# Altium PCB WOLFMAN.PcbDoc (part 2 of 2)
Units mm, origin at the board's own origin, x right, y up, seen from the top; angles counter-clockwise.
Board outline 40.9 x 21.1 mm, 4 copper layers (Top Layer, Signal Layer 1, Signal Layer 2, Bottom Layer), stack 0.778 mm thick; 165 components, 160 nets, 676 pads, 121 vias.
Unrouted connection lines stored in the file: 103.
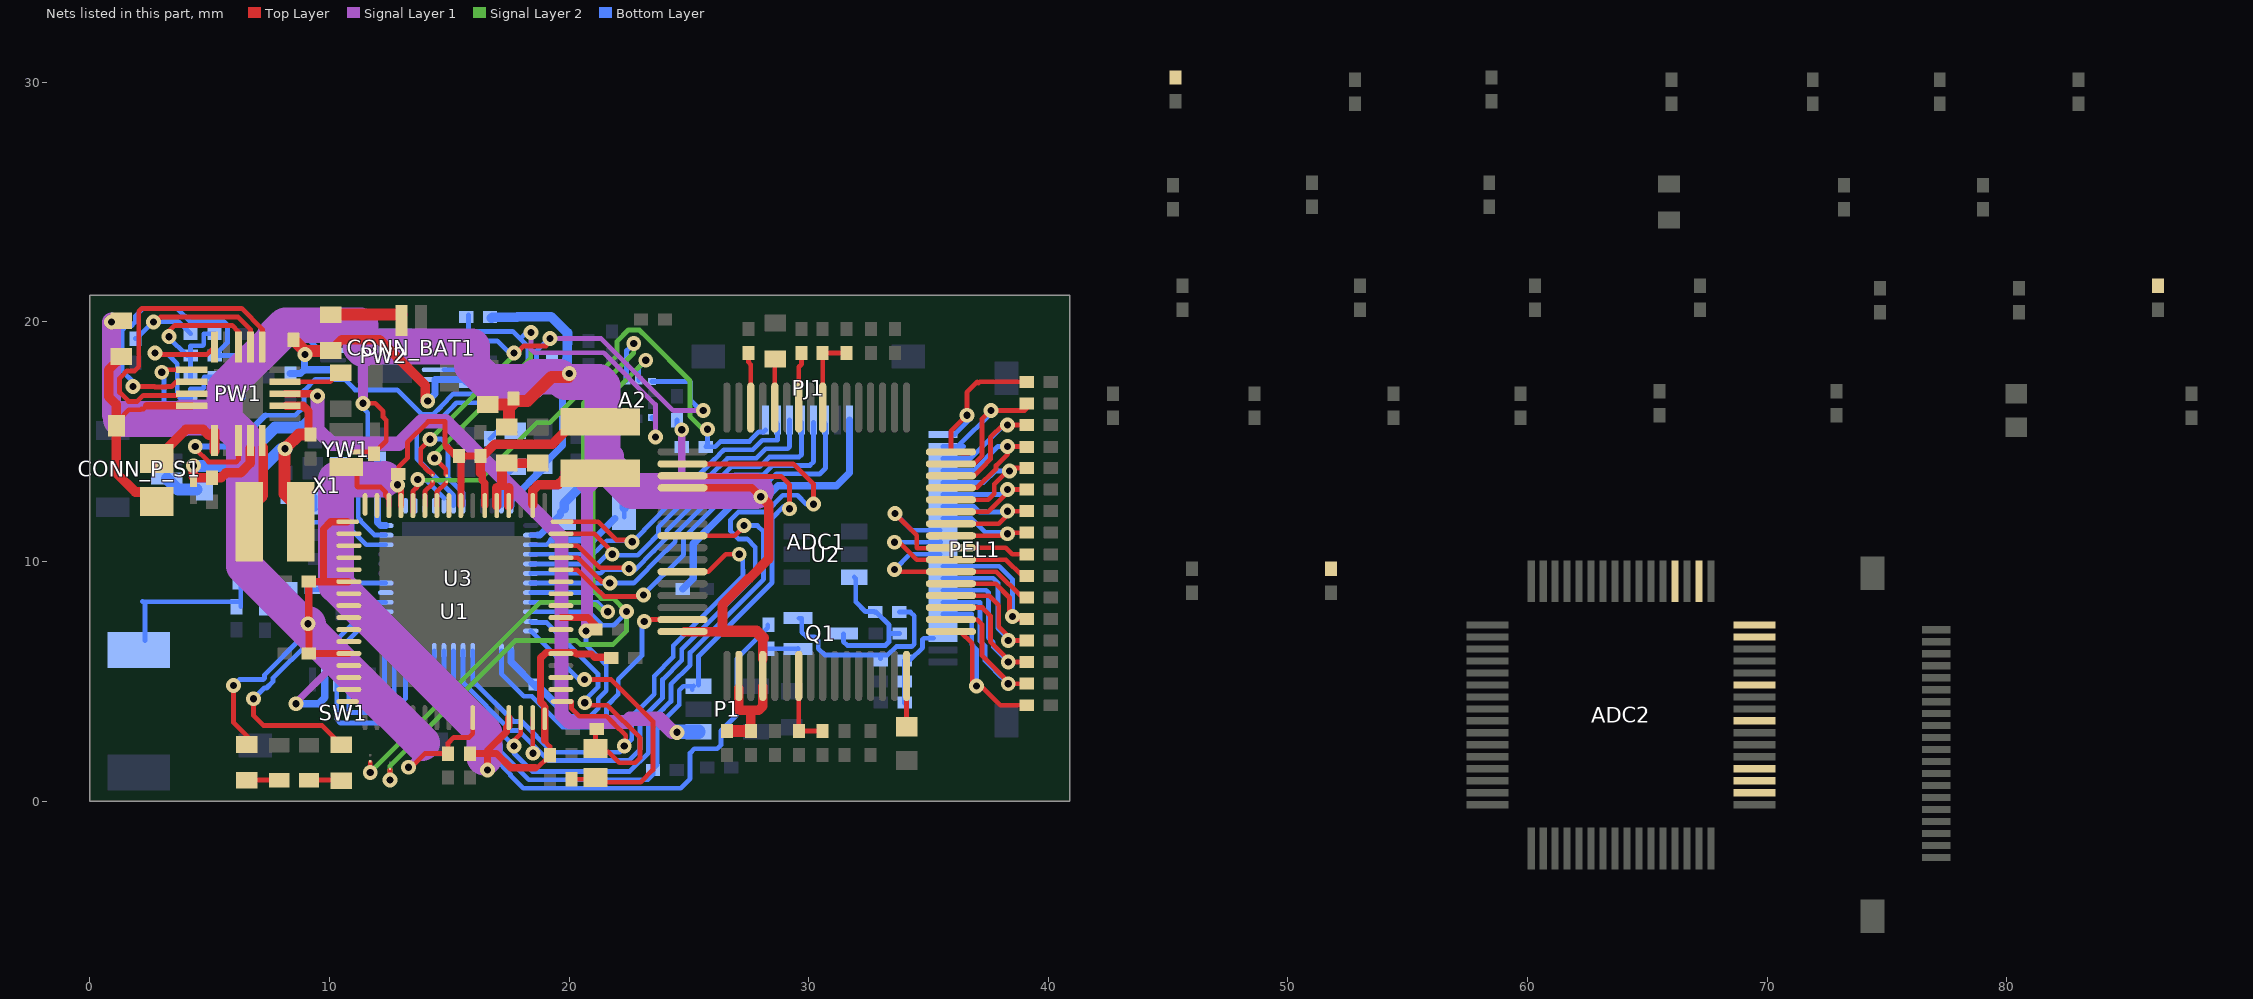
[diagram p4: the nets of this part, all layers, seen from the top]

## Via types
v1: diameter 0.62, hole 0.3, Top Layer to Bottom Layer, 75 vias
v2: diameter 0.62, hole 0.3, Top Layer to Bottom Layer, tented both sides, 29 vias
v3: diameter 0.66, hole 0.33, Top Layer to Bottom Layer, 16 vias
v4: diameter 0.62, hole 0.3, Top Layer to Bottom Layer, tented bottom, 1 vias

## Nets (pads, with @x,y where several pads share a name; then routed paths per layer and width w, separated by ;. In a path a pad name is that pad's centre, name@x,y a point inside that pad or via, vN(x,y) a via of type N, cw(c..) or ccw(c..) an arc to the next point about the centre after c; other vN are vias at no path point) (continued)
DVDD: ADC1.36 ADC1.48 ADC1.50 ADC1.52 ADC2.36 ADC2.48 ADC2.50 ADC2.52 C1.2 C2.2 C3.2 C4.2 C5.2 C6.2 C7.2 C17.1 C20.1 C26.1 CC10.2 CC11.2 CC27.2 CC28.2 PJ1.1 R8.1 R9.1 R11.2 R12.2 R36.1 R37.2 RVDVDD1.2 RVREG1.2 SW1.2 U1.1 U1.6 U1.12 U1.26 U1.40 U3.13 U3.36 U3.48 YW1.4 | length 156.4
  Top Layer w0.2: YW1.4@11.15,14.57 C2.2@11.7,14.57 ; v2(11.4,16.6) 11.911,16.6 12.239,16.272 12.239,16.029 12.365,15.904 12.365,15.028 C2.2@11.911,14.574 ; v1@13.423,1.533 v1(13.3,1.41) 13.41,1.41 13.983,1.983 C7.2@14.95,1.983 14.95,2.425 15.182,2.657 15.817,2.657 ; 15.832,2.657 15.983,2.808 U1.26@15.983,3.482
  Top Layer w0.3: v1(9.1,7.4) 9.1,7.12 9.132,7.088 ; C4.2@9.132,9.157 9.132,7.088 ; C5.2@9.135,6.167 9.145,6.157 U1.12@10.808,6.157 ; C4.2@9.135,9.157 9.75,9.157 ; C5.2@9.146,6.2 9.146,7.074 9.132,7.088 ; U1.1@10.758,11.657 10.053,11.657 9.75,11.354 9.75,9.157 ; U1.6@10.8,9.157 9.75,9.157 ; U1.40@19.658,7.657 20.775,7.657 C6.2@21.2,7.232 ; ADC1.36@24.734,13.074 27.626,13.074 v1(28,12.7)
  Top Layer w0.4: ADC1.48@24.803,7.074 26.283,7.074 ; 26.4,7.088 26.4,8.2 27.49,9.29 27.518,9.29 28.329,10.1 28.329,12.405 28.034,12.7 v1(28,12.7) ; ADC1.50@27.084,4.7 27.084,3.8 27.918,3.8 28.084,3.966 ADC1.52@28.084,4.785 ; CC10.2@27.584,2.926 27.584,3.794 ; ADC1.52@28.084,5.916 28.084,6.816
  Top Layer w0.5: C1.2@16.6,16.55 17.491,16.55 C3.2@17.5,16.559 ; RVREG1.2@17.483,15.566 17.483,16.39 17.793,16.7 18.266,16.7 19.267,17.701 v1@19.977,17.701 ; 26.4,7.088 27.812,7.088 28.084,6.816 ; CC11.2@26.584,2.926 CC10.2@27.584,2.926
  Signal Layer 1 w0.3: v1(8.6,4.06) 8.6,4.11 10.09,5.6 ; v1(13.3,1.41) 13.6,1.71 13.6,1.9 ; v1(24.7,15.5) 24.7,13.144 24.832,13.012
  Signal Layer 1 w0.4: v2(11.4,16.6) 11.4,18.873 11.4,18.92
  Signal Layer 1 w0.5: v2@20.728,7.105 20.74,7.117 20.74,13.34
  Signal Layer 1 w0.8: 0.9,16.09 v2(0.9,20)
  Signal Layer 1 w1: 20.74,13.34 21.8,14.4
  Signal Layer 1 w1.5: 1.3,15.942 3.831,15.942 3.899,16.01 5.547,16.01 5.615,15.942 ; 7.7,19.4 8.159,19.859 11.3,19.859 ; 8.215,19.8 5.615,17.2 5.615,15.942 ; v1(9.1,7.4) v1@9.1,7.151 ; v1@9.146,7.105 v1@9.1,7.151 ; 11.4,18.873 11.3,18.973 15.941,18.973 15.941,18.168 16.619,17.49 18.379,17.49 18.599,17.71 19.601,17.71 19.821,17.49 21.243,17.49 21.311,17.422 ; 13.867,2.419 12.501,3.785 12.461,3.785 9.1,7.146 v1@9.1,7.151 ; 21.4,17.333 21.4,14.161 22.617,12.944 27.801,12.944 ; 5.615,15.942 6.44,15.117 6.44,9.811 v1@9.1,7.151
  Bottom Layer w0.2: v2(11.4,16.6) 11.4,16.4 11.6,16.2 11.6,14.4 11.7,14.3 C20.1@11.9,14.3 ; 19.725,17.045 19.737,17.056 ; 20.654,3.5 20.682,3.472 20.816,3.472 21.214,3.87 21.214,4.269 21.553,4.608 21.553,5.679 21.214,6.018 21.214,6.029 ; v2(20.7,7.1) 20.7,6.532 21.203,6.029 ; R36.1@24.509,15.9 24.509,15.647 v1@24.656,15.5 ; R11.2@24.7,14.784 24.675,14.809 24.7,14.835 v1(24.7,15.5)
  Bottom Layer w0.3: v1(8.6,4.06) 9.542,4.06 9.8,4.318 SW1.2@9.8,5.129 ; C20.1@12,14.139 12,11.625 12.125,11.5 U3.36@12.35,11.5 ; R8.1@16.7,20.16 R8.1@16.76,20.16 ; U3.13@17.575,6.275 17.575,5.812 C26.1@18.644,4.743 ; U3.48@17.575,12.325 17.575,12.55 C17.1@19,13.975 ; C26.1@18.6,4.872 18.6,4.86 18.644,4.86 19,4.504 19,4.498 20.006,3.492 20.597,3.492 ; C17.1@18.915,14.032 19.725,14.842 19.725,17.045 19.725,17.304 19.9,17.479 ; R9.1@19.281,17.4 19.721,17.4 19.8,17.479 ; R12.2@24.74,8.85 25.178,9.289 25.178,10.738 26.337,11.898 26.34,11.898 27.136,12.694 v1@27.961,12.694 ; v1(28,12.7) 28.255,12.7 28.715,13.16 31.16,13.16 31.7,13.7 PJ1.1@31.7,15.9
  Bottom Layer w0.4: R8.1@16.76,20.16 16.8,20.2 17.827,20.2 17.837,20.211 19.262,20.211 19.934,19.54 19.9,17.479
  other v1: 20.006,17.842
DVDD_OUT: CC1.2 L1.2 PW1.14 RVDVDD1.1 | length 10.4
  Top Layer w0.2: CC1.2@1.2,15.9 1.63,16.33 2.127,16.33 2.156,16.36 2.234,16.36 2.374,16.5
  Top Layer w0.3: 2.374,16.5 PW1.14@4.25,16.5
  Top Layer w0.4: RVDVDD1.1@1.342,18.561 0.79,18.009 0.79,16.869 1.1,16.559 1.1,13.699 1.899,12.9 L1.2@2.642,12.9
EL1: ADC1.16 PEL1.20 R13.2 | length 6.9
  Top Layer w0.2: ADC1.16@36.363,14.574 ADC1.16@35.934,14.574 35.934,15.429 v1@36.6,16.095 ; ADC1.16@36.4,14.524 ADC1.16@36.647,14.524 ; v1(36.6,16.1) 36.6,17.065 37.035,17.5 ; 37.085,17.45 37.135,17.5 R13.2@39,17.5
  Bottom Layer w0.2: PEL1.20@36.1,15.293 36.1,15.3 v1@36.75,15.95
EL2: ADC1.14 PEL1.18 R15.2 | length 8.2
  Top Layer w0.2: ADC1.14@35.934,13.574 36.9,13.574 37.213,13.887 ; 37.234,13.908 37.234,13.913 37.584,14.263 37.584,15.176 38.108,15.7 v1(38.3,15.7) R15.2@39.1,15.7 39.3,15.7 R15.2@39.2,15.8
  Bottom Layer w0.2: PEL1.18@35.6,14.3 36.765,14.3 38.165,15.7 v1(38.3,15.7)
EL3: ADC1.12 PEL1.16 R17.2 | length 7.1
  Top Layer w0.2: ADC1.12@35.934,12.574 37.487,12.574 37.74,12.827 37.74,13.232 38.3,13.792 38.322,13.77 v1(38.378,13.77) ; v1@38.4,13.9 R17.2@39.3,13.9
  Bottom Layer w0.2: PEL1.16@35.6,13.3 36.648,13.3 36.651,13.297 37.297,13.297 37.775,13.775 v1@38.378,13.775
EL4: ADC1.10 PEL1.14 R19.2 | length 6.6
  Top Layer w0.2: ADC1.10@35.934,11.574 37.925,11.574 38.326,11.975 38.326,12.1 39.277,12.1 R19.2@39.288,12.112 ; R19.2@39.2,12.2 R19.2@39.288,12.112 ; R19.2@39.3,12.1 R19.2@39.288,12.112 ; R19.2@39.3,12.123 R19.2@39.288,12.112
  Bottom Layer w0.2: PEL1.14@35.6,12.3 36.843,12.3 36.896,12.3 37.132,12.064 v1@38.326,12.064
  other v1: 38.3,12.1
EL5: ADC1.8 PEL1.12 R22.2 | length 8.2
  Top Layer w0.2: v1(33.6,11.996) 34.509,11.087 34.509,10.574 34.529,10.554 ADC1.8@35.2,10.554 ; ADC1.8@35.934,10.574 38.226,10.574 38.5,10.3 R22.2@39.3,10.3
  Bottom Layer w0.2: v1(33.6,11.996) 34.296,11.3 PEL1.12@35.492,11.3
EL6: ADC1.6 PEL1.10 R24.2 | length 7.4
  Top Layer w0.2: v1(33.584,9.665) 33.675,9.574 ADC1.6@35,9.574 ; ADC1.6@35.934,9.574 37.831,9.574 38.905,8.5 R24.2@39.3,8.5
  Bottom Layer w0.2: v1(33.584,9.665) 34.219,10.3 PEL1.10@35.492,10.3
EL7: ADC1.4 PEL1.8 R29.2 | length 9.6
  Top Layer w0.2: ADC1.4@35.934,8.574 37.527,8.574 37.934,8.167 37.934,7.274 38.3,6.908 v1@38.3,6.7 ; v1(38.326,6.7) R29.2@39.1,6.7 R29.2@39.3,6.7
  Bottom Layer w0.2: PEL1.8@35.6,9.3 37.7,9.3 37.893,9.107 37.893,7.212 v1@38.305,6.8
EL8: ADC1.2 PEL1.6 R31.2 | length 10.5
  Top Layer w0.2: ADC1.2@36.125,7.565 37.035,7.565 37.234,7.366 37.234,6.071 38.334,4.971 38.334,4.9 R31.2@39.288,4.9
  Bottom Layer w0.2: PEL1.6@35.6,8.3 37.15,8.3 37.15,7.133 37.15,6.681 37.35,6.481 37.35,5.872 37.766,5.456 37.766,5.451 38.3,4.917 v1@38.3,4.872
  other v1: 38.326,4.9
ELM1: ADC1.15 PEL1.19 R14.2 | length 8.3
  Top Layer w0.2: ADC1.15@35.934,14.074 36.9,14.074 37.234,14.408 37.234,15.95 v1@37.584,16.3 ; v1(37.6,16.3) 39,16.3 R14.2@39.3,16.6
  Bottom Layer w0.2: PEL1.19@35.6,14.8 36.224,14.8 ; 36.467,14.8 36.224,14.8 ; v1@37.7,16.276 36.224,14.8
ELM2: ADC1.13 PEL1.17 R16.2 | length 7.4
  Top Layer w0.2: ADC1.13@35.934,13.074 37.017,13.074 37.818,13.874 37.818,14.002 38.3,14.484 v1(38.3,14.8) ; v1@38.326,14.8 R16.2@39.3,14.8
  Bottom Layer w0.2: PEL1.17@35.6,13.8 36.898,13.8 37.898,14.8 v1(38.3,14.8) v1@38.305,14.8
ELM3: ADC1.11 PEL1.15 R18.2 | length 6.6
  Top Layer w0.2: ADC1.11@35.934,12.074 ADC1.11@35.944,12.084 ; ADC1.11@36.051,12.084 36.057,12.078 37.486,12.078 38.3,12.892 v1@38.3,12.997 ; v1(38.3,13) R18.2@39.1,13 R18.2@39.3,13
  Bottom Layer w0.2: PEL1.15@35.6,12.8 38.1,12.8 v1(38.3,13) ; v1@38.25,13 v1(38.3,13) ; v1@38.4,13 v1(38.3,13)
ELM4: ADC1.9 PEL1.13 R20.2 | length 6.5
  Top Layer w0.2: ADC1.9@35.934,11.074 38.243,11.074 v1@38.326,11.157 ; v1@38.326,11.2 39.3,11.2 R20.2@39.174,11.074
  Bottom Layer w0.2: PEL1.13@35.6,11.8 36.79,11.8 37.382,11.208 v1@38.3,11.208
  other v1: 38.3,11.157
ELM5: ADC1.7 PEL1.11 R23.2 | length 6.8
  Top Layer w0.2: v1(33.584,10.8) 33.783,10.8 34.509,10.074 ADC1.7@35,10.074 ; ADC1.7@36.1,10.074 38.231,10.074 38.905,9.4 R23.2@39,9.4
  Bottom Layer w0.2: v1(33.584,10.8) 35.492,10.8 PEL1.11@35.5,10.808
ELM6: ADC1.5 PEL1.9 R28.2 | length 9.1
  Top Layer w0.2: ADC1.5@35.934,9.074 37.801,9.074 38.378,8.497 v1@38.378,7.6 ; v1@38.5,7.6 R28.2@39.3,7.6
  Bottom Layer w0.2: PEL1.9@35.6,9.8 37.95,9.8 38.5,9.25 v1(38.5,7.7)
ELM7: ADC1.3 PEL1.7 R30.2 | length 10.4
  Top Layer w0.2: ADC1.3@35.934,8.074 37.249,8.074 37.584,7.739 37.584,6.666 37.6,6.65 ; 37.584,6.65 38.326,5.908 v1(38.326,5.8) R30.2@39.3,5.8
  Bottom Layer w0.2: PEL1.7@35.6,8.8 37.4,8.8 37.5,8.7 37.5,6.988 37.5,6.826 37.7,6.626 37.7,6.434 v1@38.326,5.808 ; v1(38.326,5.8) 38.492,5.8 v1@38.5,5.808 ; v1@38.378,5.808 v1@38.378,5.822
ELM8: ADC1.1 PEL1.5 R32.2 | length 9.9
  Top Layer w0.2: ADC1.1@35.934,7.074 36.326,7.074 36.82,6.58 36.82,4.979 v1(37,4.8) 37.1,4.9 38,4 R32.2@39.3,4
  Bottom Layer w0.2: PEL1.5@35.6,7.8 35.621,7.821 36.8,7.821 36.8,7.278 36.8,6.536 37,6.336 37,5.008 v1@36.909,4.917
HYPER_0.C\K\: U1.14
HYPER_0.C\S\: U1.15
HYPER_0.CK: U1.13
HYPER_0.DQ0: U1.10
HYPER_0.DQ1: U1.9
HYPER_0.DQ2: U1.8
HYPER_0.DQ3: U1.7
HYPER_0.DQ4: U1.5
HYPER_0.DQ5: U1.4
HYPER_0.DQ6: U1.3
HYPER_0.DQ7: U1.2
HYPER_0.RWDS: U1.11
HYPER_1.C\S\: U1.16
I2C.SCL: U1.63
I2C.SDA: U1.64
I2S0_SCK: U1.43
I2S0_SDI: U1.41
I2S0_WS: U1.42
I2S1_SDI: U1.39
JTAG.T\R\S\T\: PJ1.7 U1.48 U3.4 | length 16.3
  Top Layer w0.2: U1.48@19.708,11.657 21.217,11.657 21.976,10.898 22.543,10.898 v4@22.621,10.82
  Bottom Layer w0.2: U3.4@18.4,10.3 18.402,10.298 20.994,10.298 21.236,10.54 21.24,10.54 21.567,10.867 22.585,10.867 v4(22.632,10.82) 22.632,10.832 22.644,10.82 22.663,10.82 23.137,11.294 23.137,11.333 24.434,12.631 26.088,14.284 26.104,14.284 26.25,14.43 26.25,14.446 26.464,14.66 27.669,14.66 28.066,15.057 28.685,15.057 ; 28.7,15.057 PJ1.7@28.7,15.75
JTAG.TCK: PJ1.3 U1.44 U3.8 | length 20.8
  Top Layer w0.2: U1.44@19.658,9.657 20.347,9.657 21.14,8.864 21.14,8.86 21.46,8.54 23.04,8.54 v1(23.1,8.6)
  Bottom Layer w0.2: U3.8@18.4,8.7 21.308,8.7 21.468,8.54 23.03,8.54 24.778,10.288 24.778,10.994 26.573,12.789 26.588,12.789 27.059,13.26 28.249,13.26 28.646,13.657 30.042,13.657 30.049,13.65 30.45,13.65 30.7,13.9 PJ1.3@30.7,15.75
JTAG.TDI: PJ1.6 U1.47 U3.5 | length 16.8
  Top Layer w0.2: U1.47@19.658,11.157 21.043,11.157 v1@21.9,10.3
  Bottom Layer w0.2: U3.5@18.4,9.9 19.281,9.9 ; 19.161,9.9 21.194,9.9 21.594,10.3 v1(21.8,10.3) ; v1@21.882,10.306 21.928,10.26 22.732,10.26 22.864,10.26 23.192,10.588 23.192,10.59 23.728,11.126 23.728,11.429 24.579,12.281 26.233,13.934 26.249,13.934 26.6,14.285 26.6,14.301 26.609,14.31 27.814,14.31 28.211,14.707 29.123,14.707 29.2,14.784 PJ1.6@29.2,15.907
JTAG.TDO: PJ1.5 U1.46 U3.6 | length 18.1
  Top Layer w0.2: U1.46@19.658,10.657 20.361,10.657 21.198,9.821 21.198,9.819 21.277,9.74 22.46,9.74 v1(22.5,9.7)
  Bottom Layer w0.2: U3.6@18.4,9.5 18.41,9.51 21.318,9.51 21.468,9.66 22.759,9.66 23.542,10.443 23.542,10.445 24.078,10.981 24.078,11.285 24.724,11.931 26.283,13.489 26.298,13.489 26.769,13.96 27.959,13.96 28.356,14.357 29.593,14.357 29.7,14.464 29.7,14.65 ; 29.7,14.7 PJ1.5@29.7,15.8
JTAG.TMS: PJ1.4 U1.45 U3.7 | length 17.8
  Top Layer w0.2: U1.45@19.658,10.157 20.357,10.157 21.354,9.16 v1@21.532,9.16
  Bottom Layer w0.2: U3.7@18.4,9.1 v1(21.7,9.1) ; v1@21.916,9.1 22.694,9.1 23.892,10.298 23.892,10.3 24.018,10.426 24.031,10.426 24.428,10.823 24.428,11.139 26.428,13.139 26.443,13.139 26.914,13.61 28.104,13.61 28.501,14.007 30.049,14.007 30.2,14.158 30.2,14.504 PJ1.4@30.2,15.8
LED_1: R33.2 U3.28 | length 10.5
  Top Layer w0.2: v1(6,4.827) 6,3.276 6.665,2.611 R33.2@6.7,2.611
  Bottom Layer w0.2: v1(6,4.827) 6.243,5.07 7.227,5.07 7.29,5.133 7.29,5.277 8.853,6.84 10.416,6.84 11,7.424 11,7.59 11.71,8.3 U3.28@12.35,8.3
LED_2: R34.2 U3.27 | length 12.1
  Top Layer w0.2: v1(6.825,4.27) 6.825,3.575 7.25,3.15 9.7,3.15 R34.2@10.5,2.35
  Bottom Layer w0.2: v1(6.825,4.27) 7.275,4.72 7.372,4.72 7.64,4.988 7.64,5.132 8.388,5.879 8.402,5.879 9.013,6.49 10.561,6.49 11.35,7.279 11.35,7.445 11.805,7.9 U3.27@12.35,7.9
MISO: ADC1.43 ADC2.43 U1.33 U3.17 | length 25.8
  Top Layer w0.2: U1.33@19.708,4.157 20.094,4.157 20.094,3.87 20.422,3.542 21.564,3.542 21.867,3.238 21.867,3.233 22.36,2.74 v1@22.36,2.35 ; ADC1.43@24.654,9.569 25.81,9.569 26.54,10.3 v1(27.1,10.3)
  Bottom Layer w0.2: U3.17@15.975,6.275 15.975,5.029 17.682,3.322 18.015,3.322 19.297,2.04 22.108,2.04 v1@22.3,2.232 ; v1@22.339,2.3 22.614,2.575 22.614,3.426 22.66,3.472 22.66,3.575 22.932,3.847 ; 22.945,3.86 22.952,3.86 23.55,4.458 23.55,5.215 24.35,6.015 24.35,6.488 27.255,9.393 27.255,9.656 27.247,9.665 27.247,10.453 27.1,10.306 v1(27.1,10.3)
  other v1: 22.3,2.3
MOSI: ADC1.34 ADC2.34 U1.31 U3.18 | length 34.6
  Top Layer w0.2: v1@18.483,2.056 U1.31@18.483,3.482 ; ADC1.34@24.734,14.074 29.358,14.074 30.2,13.232 v1(30.2,12.392)
  Bottom Layer w0.2: U3.18@15.575,6.275 15.575,4.934 17.566,2.943 17.899,2.943 19.152,1.69 22.482,1.69 22.964,2.172 22.964,3.281 23.01,3.327 23.01,3.423 23.782,4.195 23.791,4.195 23.9,4.304 23.9,5.07 24.7,5.87 24.7,6.343 27.767,9.41 27.767,10.6 27.427,10.94 27.068,10.94 26.74,11.268 26.74,11.732 27.068,12.06 28.168,12.06 ; 28.117,12.057 28.22,12.057 28.923,12.76 29.532,12.76 29.9,12.392 v1(30.2,12.392)
  other v1: 18.49,2
NetA1_1: A1.1 XX1.2 XX3.1 | length 6.8
  Bottom Layer w0.2: 2.2,8.324 2.208,8.316 2.3,8.316 ; A1.1@2.3,6.7 2.3,8.316 ; XX3.1@6.3,8.108 XX3.1@6.3,8.316 ; XX1.2@6.4,9.11 6.3,9.01 XX3.1@6.3,8.316 ; 2.3,8.316 XX3.1@6.3,8.316
NetADC2_35: ADC2.35
NetADC2_47: ADC2.47
NetC23_2: C23.2 L5.1 U3.30 | length 3.3
  Bottom Layer w0.2: L5.1@9.237,8.85 9.26,8.828 C23.2@10.5,8.828 ; C23.2@10.414,8.897 10.617,9.1 U3.30@12.35,9.1
NetCC5_2: CC5.2 PW1.4 | length 2.4
  Top Layer w0.2: PW1.4@8.15,17.5 10.028,17.5 CC5.2@10.4,17.872
NetCC7_2: CC7.2 PW2.5 | length 1.2
  Bottom Layer w0.2: PW2.5@14.775,18 15.345,18 CC7.2@15.7,18.355 ; CC7.2@15.825,18.332 15.771,18.332 CC7.2@15.825,18.386
NetD1_1: D1.1 R33.1 | length 1.4
  Top Layer w0.2: R33.1@6.55,0.85 6.575,0.875 D1.1@7.9,0.875
NetD2_1: D2.1 R34.1 | length 1.4
  Top Layer w0.2: D2.1@9.146,0.875 10.475,0.875 R34.1@10.5,0.9
NetL1_1: L1.1 PW1.16 | length 3.6
  Top Layer w0.4: L1.1@2.8,14.3 4.01,15.51 4.723,15.51 4.969,15.265 ; PW1.16@5.2,14.6 PW1.16@5.2,15.05 PW1.16@5.2,15.425
NetL2_2: L2.2 PW1.20 | length 2.9
  Top Layer w0.28: L2.2@6.9,12.382 6.939,12.421 L2.2@6.95,12.432
  Top Layer w0.4: L2.2@6.66,12.7 6.939,12.421 6.93,12.43 7.24,12.74 PW1.20@7.24,14.76
NetL3_2: L3.2 L4.1 | length 1.2
  Bottom Layer w0.2: L3.2@16.7,15.125 16.975,15.4 L4.1@17.75,15.4
NetL4_2: L4.2 U3.47 | length 1.9
  Bottom Layer w0.2: U3.47@17.175,12.34 17.175,13.382 L4.2@17.75,13.957
NetLW1_2: LW1.2 U1.50 | length 3.1
  Top Layer w0.2: LW1.2@21.3,13.507 LW1.2@21.3,13.687
  Top Layer w0.4: U1.50@18.483,12.382 18.483,12.967 18.723,13.207 19.544,13.207 19.737,13.4 LW1.2@19.9,13.4 ; LW1.2@19.851,13.7 LW1.2@20.6,13.7
NetPW1_6: PW1.6 PW1.13 | length 13
  Top Layer w0.2: 1.332,17.735 1.546,17.95 1.865,17.95 2.04,18.125 2.04,20.432 2.168,20.56 6.33,20.56 7.2,19.69 PW1.6@7.2,18.95 ; 1.335,17.735 1.332,17.733 1.329,17.733 1.24,17.643 1.24,17.055 1.615,16.68 1.982,16.68 1.982,16.69 2.224,16.932 3.616,16.932 PW1.13@3.7,17.016
NetPW1_7: PW1.7 R1.2 R5.1 | length 7.2
  Top Layer w0.2: v1@2.7,19.95 2.95,20.2 6.195,20.2 6.7,19.695 PW1.7@6.7,19.55
  Bottom Layer w0.2: R5.1@1.9,19.3 1.933,19.3 v1@2.581,19.948 ; v1(2.657,19.995) 2.657,20.005 3.7,20.005 4.055,19.65 R1.2@4.206,19.5
NetPW1_8: PW1.8 R1.1 R2.1 R3.1 | length 7.6
  Top Layer w0.2: v1(3.3,19.382) 3.3,19.6 3.55,19.85 5.444,19.85 5.45,19.844 5.456,19.85 5.944,19.85 6.2,19.594 6.2,19.505 PW1.8@6.195,19.5
  Bottom Layer w0.2: v1@3.155,19.445 3.2,19.4 3.242,19.4 v1@3.3,19.342 ; v1(3.3,19.382) v1@3.3,19.342 ; R2.1@4.2,17.7 4.206,17.706 R3.1@4.206,18.6 ; R1.1@5.206,19.5 R1.1@5.2,19.5 4.75,19.5 4.75,19.048 4.702,19 4.206,19 R3.1@4.206,18.6 ; v1@3.3,19.342 4.042,18.6 R3.1@4.206,18.6
NetPW1_10: PW1.10 R2.2 R4.1 | length 7.8
  Top Layer w0.2: v1(2.72,18.7) v1@2.68,18.7 ; PW1.10@5.2,18.95 4.89,18.64 2.74,18.64 v1@2.68,18.7 ; v1@2.61,18.77 v1@2.68,18.7 ; v1@2.61,18.77 2.61,18.79 2.6,18.78 v1@2.61,18.77
  Bottom Layer w0.2: v1(2.72,18.7) 2.72,18.689 2.67,18.64 3.26,18.64 3.65,18.25 3.65,18.054 3.65,16.944 3.802,16.792 R4.1@4.2,16.792 4.2,17.2 4.705,17.2 4.75,17.245 4.75,17.669 4.781,17.7 R2.2@5.18,17.7
NetPW1_11: PW1.11 R4.2 R6.1 | length 6.9
  Top Layer w0.2: v1@3.155,18 PW1.11@4.25,18
  Bottom Layer w0.2: v1@2.95,17.8 3.09,17.66 3.09,16.672 3.562,16.2 4.7,16.2 R4.2@5.2,16.7 ; R4.2@5.2,16.792 6.374,16.792 6.4,16.817 R6.1@6.4,17.669
  other v1: 3,17.9
NetPW1_12: PW1.12 R3.2 R7.1 | length 12.7
  Top Layer w0.2: v1(1.8,17.3) v1@1.86,17.24 ; 2.113,17.3 2.7,17.3 2.718,17.282 3.182,17.282 3.2,17.3 3.406,17.3 3.606,17.5 PW1.12@4.25,17.5
  Bottom Layer w0.2: v1(1.8,17.3) 1.8,17.497 1.35,17.946 1.35,19.654 1.546,19.85 1.755,19.85 1.9,19.995 1.9,20.24 2.215,20.555 3.645,20.555 4.2,20 5.604,20 5.75,19.854 5.75,19.144 R3.2@5.206,18.6 R7.1@6.4,18.6
NetPW2_10: PW2.10 R10.1 | length 2.9
  Bottom Layer w0.2: R10.1@7.4,19.5 8.905,19.5 9.35,19.055 9.555,18.85 9.56,18.85 9.56,18.822 9.582,18.8 PW2.10@9.981,18.8
NetQ1_1: Q1.1 R21.2 | length 1.2
  Bottom Layer w0.2: R21.2@28.32,6.358 29.523,6.358 Q1.1@29.532,6.35 ; Q1.1@29.55,6.35 Q1.1@29.55,6.374
NetQ1_2: Q1.2 R25.2 R26.1 | length 8.2
  Bottom Layer w0.2: Q1.2@29.6,7.633 29.711,7.633 29.711,7.055 29.916,6.85 30.254,6.85 30.4,6.704 30.4,6.366 30.666,6.1 R26.1@33,6.1 ; R26.1@33,5.939 R26.1@33,6.1 ; R25.2@33.782,7.888 34.245,7.888 34.4,7.733 34.4,6.554 34.296,6.45 33.651,6.45 33.301,6.1 R26.1@33,6.1
NetU1_62: U1.62 YW1.3 | length 3.6
  Top Layer w0.2: YW1.3@10.7,13.945 YW1.3@11.145,13.945 ; YW1.3@10.7,13.95 11.14,13.95 YW1.3@11.145,13.945 ; U1.62@12.483,12.332 12.483,12.607 12.333,12.757 12.333,12.907 12.133,13.107 11.177,13.107 11.145,13.14 YW1.3@11.145,13.945
P0.00/XL1: C16.1 U3.2 X2.1 | length 4.7
  Bottom Layer w0.2: U3.2@18.688,11.1 U3.2@18.4,11.1 U3.2@18.72,11.1
  Bottom Layer w0.3: U3.2@18.688,11.1 18.791,11.1 19.645,11.954 19.645,12.057 X2.1@19.796,12.208
  Bottom Layer w0.4: X2.1@19.796,12.208 19.796,12.436 21.1,13.74 C16.1@21.1,14.158
P0.01/XL2: C19.1 U3.3 X2.2 | length 6.5
  Bottom Layer w0.2: U3.3@18.4,10.7 18.734,10.7 19.066,10.7 19.266,10.9 ; X2.2@22.3,11.844 X2.2@22.3,12.2 ; X2.2@22.3,12.248 X2.2@22.339,12.208
  Bottom Layer w0.3: 19.266,10.9 21.016,10.9 X2.2@21.916,11.8
  Bottom Layer w0.4: C19.1@21.88,14.207 22.3,13.787 X2.2@22.3,12.248
P0.07: A2.11 JM3.1 U3.9 | length 30.2
  Top Layer w0.2: v1(11.7,1.2) JM3.1@11.7,1.618
  Signal Layer 2 w0.2: v1(11.7,1.2) 18.8,8.3 20.8,8.3 ; v2@21.6,7.9 21.4,7.9 21.09,8.21 20.89,8.21 20.8,8.3 ; v1(22.7,19.1) 22.7,18.7 20.6,16.6 20.6,8.5 20.8,8.3
  Bottom Layer w0.2: U3.9@18.4,8.3 21.182,8.3 v2@21.594,7.888 ; A2.11@22.4,17.557 22.4,18.8 v1(22.7,19.1)
  other v2: 21.61,7.9
P0.08: A2.12 JM4.1 U3.10 | length 31.9
  Top Layer w0.2: v2(12.527,0.875) 12.527,1.3
  Signal Layer 2 w0.2: v2(12.527,0.875) 12.527,1.467 17.76,6.7 20.308,6.7 20.468,6.54 21.84,6.54 22.4,7.1 v2(22.4,7.913) 22.389,7.913 21.842,8.46 21.335,8.46 21,8.795 21,16.2 v2(23.2,18.4)
  Bottom Layer w0.2: U3.10@18.4,7.9 20.818,7.9 21.378,7.34 21.842,7.34 21.853,7.352 21.86,7.352 ; 21.862,7.34 v2@22.41,7.888 ; A2.12@22.91,17.557 22.91,18.095 v2@23.2,18.386
P0.09: C24.2 pad.2 U3.11 | length 11.9
  Top Layer w0.2: v1(20.654,4.102) 20.756,4 21.601,4 22.96,2.641 22.96,1.8 22.76,1.6 22.09,1.6 21.631,2.059 pad.2@21.1,2.189 21.1,2.946 C24.2@21.154,3
  Bottom Layer w0.2: U3.11@18.4,7.5 18.45,7.45 19.071,7.45 21.203,5.318 21.203,4.841 21.2,4.838 21.2,4.75 20.654,4.204 v1(20.654,4.102)
P0.10: C25.2 pad.3 U3.12 | length 12.4
  Top Layer w0.2: C25.2@20.094,0.91 pad.3@21.074,0.91 ; v1(20.643,5.073) 21.759,5.073 23.5,3.332 23.5,1.3 22.99,0.79 21.21,0.79 pad.3@21.1,0.9
  Bottom Layer w0.2: U3.12@18.4,7.1 20.471,5.029 20.516,5.073 v1(20.643,5.073)
P0.11: ADC1.47 U3.14 | length 13.2
  Top Layer w0.2: v1@22.999,7.534 23,7.533 23.041,7.574 ADC1.47@24.734,7.574
  Bottom Layer w0.2: U3.14@17.175,6.275 17.175,5.314 18.117,4.372 18.45,4.372 19.73,3.092 21.302,3.092 21.564,3.354 21.564,3.861 21.61,3.907 21.61,4.01 22.05,4.45 22.05,5.077 23.04,6.067 23.04,7.653 23.137,7.556 v1(23.137,7.5)
P0.17: ADC1.35 P1.3 R35.1 U3.20 | length 31.8
  Top Layer w0.2: ADC1.35@24.734,13.574 24.758,13.55 28.847,13.55 29.2,13.197 v1(29.2,12.2)
  Bottom Layer w0.2: U3.20@14.775,6.275 14.775,4.7 17.14,2.335 17.14,2.063 18.313,0.89 23.29,0.89 23.5,1.1 R35.1@23.5,1.3 ; R35.1@23.5,1.34 23.664,1.504 23.664,2.991 23.71,3.037 23.71,3.133 24.072,3.495 24.081,3.495 24.6,4.014 24.6,4.27 24.6,4.623 24.768,4.791 25.143,4.791 P1.3@25.143,4.743 ; P1.3@25.143,4.644 P1.3@25.143,4.743 ; P1.3@25.2,4.8 P1.3@25.143,4.743 ; P1.3@25.4,4.832 25.4,6.053 28.467,9.12 28.467,9.399 28.467,11.809 28.958,12.3 29.058,12.2 v1(29.2,12.2)
P0.18: R21.1 U3.21 | length 22.8
  Bottom Layer w0.2: 14.376,4.7 14.425,4.7 14.425,4.555 16.598,2.381 16.598,2.023 16.652,1.97 16.722,1.97 17.26,1.432 17.26,1.407 17.56,1.107 17.56,1.062 18.082,0.54 24.656,0.54 25.05,0.934 ; 14.375,4.7 U3.21@14.375,6.275 ; 25.05,0.946 25.05,2.004 25.23,2.184 26.184,2.184 26.337,2.337 26.337,2.93 27,3.593 27,5.942 28.29,7.232 R21.1@28.29,7.345
P0.21/RESET: SW1.3 U3.24 | length 7.1
  Bottom Layer w0.2: SW1.3@10.3,5.129 10.3,3.416 10.457,3.259 12.151,3.259 13.175,4.283 U3.24@13.175,6.275 U3.24@13.175,6.3
P0.24: U3.29
P0.25: U3.37
P0.26: U3.38
P0.27: U3.39
P0.28/AIN4: U3.40
P0.29/AIN5: PJ1.8 R11.1 U1.60 U3.41 | length 23.5
  Top Layer w0.2: U1.60@13.483,12.084 U1.60@13.483,12.332 13.483,12.925 13.667,13.109 v2@13.667,13.408 ; v2@13.603,13.464 13.647,13.464 v2@13.685,13.426
  Signal Layer 2 w0.2: v2@13.686,13.394 16.248,13.394 18.644,15.79 19.19,15.79 20.25,16.85 20.566,17.166 22,18.6 22,19.192 22.468,19.66 22.932,19.66 23.26,19.332 25.045,17.547 25.04,17.541 25.04,16.06 v2@25.6,15.5
  Signal Layer 2 w0.5: v2@13.647,13.464 v2(13.686,13.425)
  Bottom Layer w0.2: 14.031,13.394 U3.41@14.775,12.65 ; R11.1@25.7,14.784 26.093,14.784 26.319,15.01 27.524,15.01 27.921,15.407 28.122,15.407 PJ1.8@28.2,15.485 ; R11.1@25.74,14.855 25.77,14.885 v2(25.77,15.521)
P0.30/AIN6: A2.4 JM1.2 PW2.1 R8.2 U3.42 | length 33.1
  Top Layer w0.2: v1@14.2,14.263 v1@14.225,14.288 ; v1@14.225,14.238 v1@14.225,14.288 ; 14.85,13.624 14.85,13.845 v1(14.385,14.309) 14.246,14.309 v1@14.225,14.288
  Signal Layer 1 w0.2: v1(18.41,19.551) 18.41,18.859 18.559,18.71 21.437,18.71 23.6,16.547 v2@23.6,15.165
  Signal Layer 2 w0.2: v1(14.385,14.309) 14.385,14.471 18.4,18.485 v1@18.4,19.551
  Bottom Layer w0.2: PW2.1@14.4,19.6 14.968,19.6 17.643,19.6 17.957,19.286 ; U3.42@15.175,12.325 15.175,12.763 13.64,14.298 13.64,15.44 13.97,15.77 14.457,15.77 15.01,16.323 15.01,16.335 15.301,16.626 17.233,16.626 17.379,16.773 17.379,16.775 18.285,17.68 18.285,18.958 17.957,19.286 ; R8.2@15.8,20.3 15.8,19.625 15.825,19.6 ; v1@18.318,19.65 18.318,19.647 17.957,19.286 ; A2.4@23.46,16.007 23.6,15.866 v2(23.6,15.2)
P0.31/AIN7: A2.1 JM2.2 PW2.2 R9.2 U3.43 | length 27.9
  Top Layer w0.2: v1@14.2,15.092 13.81,14.702 13.81,14.093 14.153,13.749 14.2,13.749 14.299,13.65 ; v1(17.7,18.7) 17.805,18.7 18.105,19 18.169,19 18.178,18.991 19.032,18.991
  Signal Layer 1 w0.2: v2(19.2,19.3) 21.342,19.3 24.342,16.3 v2(25.6,16.3)
  Signal Layer 2 w0.2: v1(14.2,15.1) v1@17.7,18.6
  Bottom Layer w0.2: v1@14.187,15.116 14.664,15.116 14.945,14.834 14.945,13.487 15.575,12.858 U3.43@15.575,12.325 ; PW2.2@14.4,19.2 14.405,19.205 16.995,19.205 v1@17.537,18.663 ; v2(19.2,19.3) 19.152,19.3 18.635,18.783 18.635,18.3 R9.2@19.281,18.3 ; A2.1@23.46,17.507 25.036,17.507 25.07,17.473 25.07,16.728 25.421,16.378 25.499,16.378 v2@25.6,16.276
POR_N: U1.57
REF: PEL1.4
REF1.5V: CC25.2 PEL1.3 R26.2 R27.2 | length 3.3
  Bottom Layer w0.2: R27.2@33.996,4.1 34,4.104 R27.2@34,4.118 CC25.2@34,5 R26.2@34,5.865 ; R26.2@34.2,5.897 34.238,5.897 34.75,6.409 34.75,6.75 34.8,6.8 PEL1.3@35.208,6.8
REF2V: CC24.2 Q1.3 R25.1 U2.6 | length 6.4
  Bottom Layer w0.2: Q1.3@31.45,6.969 31.45,6.655 31.607,6.498 33.204,6.498 33.35,6.644 33.35,6.969 ; U2.6@31.9,9.35 31.965,9.285 31.965,8.311 32.362,7.913 32.731,7.913 R25.1@32.782,7.862 ; R25.1@32.782,7.888 32.814,7.888 33.35,7.352 33.35,6.969 ; CC24.2@33.8,6.998 33.379,6.998 33.35,6.969
RF: L5.2 XX1.1 XX2.1 | length 1.6
  Bottom Layer w0.2: XX1.1@7.374,8.897 7.381,8.904 XX1.1@7.382,8.904 ; XX2.1@7.382,8.316 XX1.1@7.382,8.904 ; XX1.1@7.4,9.161 XX1.1@7.461,9.1 ; L5.2@8.3,8.9 XX1.1@7.382,8.904
SCK: ADC1.40 ADC2.40 U1.30 U3.19 | length 27.6
  Top Layer w0.2: v2(17.7,2.3) 17.7,2.458 17.666,2.491 17.983,2.808 U1.30@17.983,3.33 ; ADC1.40@24.734,11.074 26.906,11.074 v1@27.332,11.5
  Bottom Layer w0.2: U3.19@15.175,6.275 15.175,4.838 v2@17.699,2.315 ; v2(17.7,2.3) 17.7,1.998 18.458,1.24 22.527,1.24 23.314,2.027 23.314,3.136 23.36,3.182 23.36,3.278 23.927,3.845 23.936,3.845 24.25,4.159 24.25,4.87 25.05,5.67 25.05,6.198 28.117,9.265 28.117,11.244 27.861,11.5 v1(27.3,11.5) v1@27.3,11.503
SP_IN: CONN_P_S1.1 RVSP1.1 | length 1.4
  Bottom Layer w0.5: CONN_P_S1.1@3.21,13.464 3.68,12.994 RVSP1.1@4.452,12.994
SP_MS: CC4.2 L2.1 PW1.2 RVSP1.2 | length 9.4
  Top Layer w0.35: v2(8.15,14.706) v2@8.2,14.706 ; v2@8.164,14.67 v2@8.2,14.706 ; v2@8.2,14.768 v2@8.2,14.706 ; PW1.2@8.2,16.5 8.9,16.5 9.125,16.275 9.125,15.3 CC4.2@9.2,15.3
  Top Layer w0.5: v2@8.132,14.638 8.132,12.808 8.81,12.13 L2.1@8.81,11.683 ; v2@8.2,14.768 8.732,15.3 CC4.2@9.146,15.3
  Bottom Layer w0.2: v2@8.2,14.7 8.293,14.793 v2@8.344,14.793
  Bottom Layer w0.5: RVSP1.2@6.293,13 7.993,14.7 v2@8.2,14.7
SPIM_SDIO2: U1.34
SPIM_SDIO3: U1.35
SWDCLK: SW1.4 U3.25 | length 6.8
  Bottom Layer w0.2: SW1.4@10.8,5.129 10.8,3.7 12.097,3.7 12.7,4.303 ; U3.25@12.1,7.1 U3.25@12.35,7.1 12.7,6.75 12.7,4.305
SWDIO: SW1.5 U3.26 | length 6.2
  Bottom Layer w0.2: SW1.5@11.3,5.129 11.304,5.126 11.304,4.104 12.005,4.104 12.3,4.398 12.3,6.644 12.061,6.644 11.7,7.005 11.7,7.199 11.9,7.399 11.9,7.5 U3.26@12.35,7.5
UART.RX: JM1.1 U1.58 | length 1.1
  Top Layer w0.2: U1.58@14.483,12.332 14.483,12.907 JM1.1@14.85,13.274
UART.TX: JM2.1 U1.59 | length 1.1
  Top Layer w0.2: U1.59@13.983,12.332 13.983,12.93 14.303,13.25 JM2.1@14.303,13.3
VAVD: C12.2 RVREG1.1 U1.52 U1.53 | length 4.6
  Top Layer w0.2: 16.983,13.074 17.2,13.074 ; 17.2,13.197 17.2,13.074 ; RVREG1.1@17.2,13.95 17.2,14.025 RVREG1.1@17.257,14.082 ; 17.483,13.074 17.2,13.074
  Top Layer w0.4: U1.53@16.983,12.332 16.983,13.074 ; 17.2,13.197 17.2,13.95 RVREG1.1@17.4,14.15 ; RVREG1.1@17.403,14.107 C12.2@18.7,14.107 ; U1.52@17.483,12.332 17.483,13.074
VBAT: PW1.18 PW2.7 Value1.2 | length 17.9
  Top Layer w0.2: v2(4.4,14.8) 4.4,14.715 4.404,14.711 4.4,14.706 4.953,14.153 ; 4.956,14.15 6.105,14.15 6.2,14.245 PW1.18@6.2,14.776 ; PW1.18@6.2,14.995 PW1.18@6.2,15.05
  Bottom Layer w0.2: v2(4.4,14.8) 4.4,14.9 v2@4.5,14.8 ; 7.325,16.1 8.574,16.1 8.94,16.466 8.94,17.132 9.408,17.6 PW2.7@9.606,17.6 ; PW2.7@9.6,17.6 PW2.7@9.606,17.6 ; Value1.2@16.705,17.479 16.219,16.993 15.173,16.993 14.66,16.48 14.66,16.468 14.332,16.14 13.852,16.14 12.832,17.16 11.07,17.16 11.03,17.2 10.63,17.6 PW2.7@10.15,17.6 PW2.7@9.606,17.6
  Bottom Layer w0.25: v2@4.5,14.8 6.025,14.8 7.325,16.1
VBAT_CONN: CONN_BAT1.1 RVBAT1.1 | length 2.9
  Top Layer w0.5: RVBAT1.1@10.053,20.3 CONN_BAT1.1@13,20.3
VBAT_IN: CC6.2 CC8.2 PW2.6 PW2.8 RVBAT1.2 Value1.1 | length 12.2
  Top Layer w0.3: v1@13.97,16.71 v1@14,16.68
  Top Layer w0.4: RVBAT1.2@10.053,18.8 10.513,19.26 12.086,19.26 14,17.345 v1@14,16.68
  Top Layer w0.5: CC6.2@8.5,19.26 9,18.76 8.974,18.733 v2(8.974,18.64) 9.114,18.78 9.726,18.78 RVBAT1.2@9.757,18.749
  Bottom Layer w0.3: CC8.2@8.364,17.842 8.795,17.842 8.953,18 ; v2@8.953,18.649 8.953,18.064 9.017,18 PW2.8@10.15,18 ; v1@14.1,16.69 14.4,16.99 PW2.6@14.4,17.6 15.602,17.6 Value1.1@15.7,17.502
  other v1: 14.1,16.7
VCAP1: ADC1.28 CC18.2 | length 2.2
  Top Layer w0.2: CC18.2@28.582,18.666 28.584,18.664 ADC1.28@28.584,16.424
VCAP2: ADC1.30 CC9.2 | length 1.5
  Top Layer w0.2: CC9.2@27.49,18.7 27.49,18.31 27.584,18.216 ADC1.30@27.584,17.2
VCAP3: ADC1.55 CC19.2 CC20.2 | length 3.3
  Top Layer w0.2: CC19.2@29.55,2.934 29.558,2.926 CC19.2@29.584,2.926 CC20.2@30.584,2.926 ; CC19.2@29.584,2.942 ADC1.55@29.584,5.224
VCAP4: ADC1.26 CC15.2 | length 1.5
  Top Layer w0.2: ADC1.26@29.584,16.916 ADC1.26@29.6,16.9 ; ADC1.26@29.584,17.25 29.584,18.116 29.7,18.232 CC15.2@29.7,18.7
VCLU: C8.2 C9.2 C10.2 C11.2 CW1.2 CW2.2 LW1.1 U1.29 U1.32 U1.37 U1.54 U1.56 U1.61 | length 46.3
  Top Layer w0.2: C8.2@12.89,13.65 12.89,13.954 13.25,14.314 13.25,14.973 14.114,15.837 14.817,15.837 14.817,14.859 14.889,14.787 ; 18.6,1.39 18.672,1.39 C10.2@19.1,1.818 ; 18.983,2.491 19.2,2.274 C10.2@19.2,1.91
  Top Layer w0.25: v2(12.833,13.198) 12.833,13.434 12.983,13.584 C8.2@12.9,13.667 ; U1.61@12.983,12.332 v2@12.983,13.051
  Top Layer w0.3: 14.889,14.787 15.219,14.457 CW2.2@15.36,14.457 ; CW2.2@15.36,14.419 15.379,14.4 CW2.2@15.4,14.4 CW1.2@16.07,14.4 ; U1.56@15.483,12.332 CW2.2@15.483,14.217 ; C11.2@15.867,1.983 16.6,1.983 ; 16.374,13.687 16.374,13.382 16.483,13.274 U1.54@16.483,12.332 ; v1(16.6,1.3) 16.6,1.983 ; U1.29@17.483,3.482 17.483,3.11 17.414,3.11 17.383,3.079 17.383,2.891 16.6,2.108 16.6,1.983 ; 18.6,1.39 17.56,1.39 16.967,1.983 16.6,1.983 ; 18.933,4.023 18.8,4.156 18.8,5.979 18.82,5.979 19.047,6.206 20.236,6.206 20.302,6.14 20.934,6.14 21.074,6 C9.2@21.5,6 ; 18.983,2.524 U1.32@18.983,3.432 18.983,3.917 ; LW1.1@20.8,15.7 LW1.1@20.8,15.837
  Top Layer w0.4: CW2.2@15.4,14.3 CW2.2@15.483,14.217 ; 16.285,13.707 CW1.2@16.285,14.419 ; CW1.2@16.374,14.376 16.898,14.9 19.315,14.9 20.252,15.837 20.8,15.837 LW1.1@21.3,15.837
  Signal Layer 1 w1.5: 12.29,13.451 12.265,13.425 10.275,13.425 10.275,9.025 16.471,2.829 16.471,1.818
VREFP: ADC1.24 CC16.2 CC17.2 | length 2.9
  Top Layer w0.2: CC17.2@30.584,18.654 30.584,16.816 ADC1.24@30.6,16.8 ; CC17.2@30.6,18.654 30.646,18.7 CC16.2@31.584,18.7
VSTOR: CC2.2 CC3.2 P1.1 PW1.3 PW1.19 | length 39.2
  Top Layer w0.3: PW1.3@8.15,17 9.526,17 v2@9.576,16.95
  Top Layer w0.4: v2(4.32,13.995) 4.32,13.53 4.35,13.5 CC2.2@5.1,13.5 5.473,13.5 5.673,13.7 6.291,13.7 6.69,14.099 PW1.19@6.69,14.717
  Signal Layer 1 w0.6: v2(9.5,16.9) 9.5,15.5 10.09,14.91 12.898,14.91 13.848,15.86 14.835,15.86 19.681,11.014 19.681,3.619 20,3.3 22.4,3.3 22.542,3.442 23.758,3.442 v1@24.3,2.9
  Bottom Layer w0.5: v2@4.404,13.986 6.122,13.986 7.736,15.6 8.781,15.6 8.789,15.607 8.923,15.607 ; 8.961,15.607 8.961,15.673 9.527,16.239 v2@9.527,16.683
  Bottom Layer w0.6: v1@24.5,2.9 24.509,2.891 P1.1@25.4,2.891
  other v1: 24.5,2.87
WCT: ADC1.64 CC21.2 | length 1.7
  Top Layer w0.2: CC21.2@34.084,3.1 34.084,4.784 ADC1.64@34.1,4.8
XC1: C18.1 U3.34 X1.1 | length 6.1
  Bottom Layer w0.2: C18.1@8.2,12.7 8.953,12.7 X1.1@9.2,12.453 ; X1.1@9.175,12.4 9.201,12.374 9.201,11.639 10.893,11.639 10.95,11.582 10.95,11.287 11.537,10.7 U3.34@12.35,10.7 ; X1.1@9.407,12.707 9.407,12.188 X1.1@9.414,12.181
XC2: C15.1 U3.35 X1.3 | length 5.6
  Bottom Layer w0.2: X1.3@10.3,13.914 X1.3@10.314,13.9 ; C15.1@10.4,14.9 10.457,14.843 X1.3@10.457,13.903 ; X1.3@10.414,13.836 X1.3@10.6,13.65 ; X1.3@10.457,13.89 X1.3@10.457,13.903 ; 11.097,13.903 X1.3@10.457,13.903 ; 11.1,13.915 11.2,13.815 11.2,12.196 11.198,12.194 11.198,11.829 11.3,11.727 11.3,11.684 11.884,11.1 U3.35@12.35,11.1
pads on no net: A1.2 ADC1.17 ADC1.18 ADC1.27 ADC1.29 ADC1.37 ADC1.42 ADC1.44 ADC1.45 ADC1.46 ADC1.60 ADC1.61 ADC1.62 ADC1.63 ADC2.17 ADC2.18 ADC2.27 ADC2.29 ADC2.37 ADC2.42 ADC2.44 ADC2.45 ADC2.46 ADC2.60 ADC2.61 ADC2.62 ADC2.63 CC32.2 CONN_BAT1.0 CONN_P_S1.0 P1.4 PEL1.0 PEL2.0 PEL2.3 PEL2.4 PJ1.0 PW2.4 PW2.9 PW2.11 PW2.12 SW1.0 U1.51 U1.55 U2.3 U2.5 U3.44 YW1.1

## Polygon pours and split planes (outlines as drawn)
AGND on Bottom Layer "Bottom Layer-No Net" (solid, pour order 16): 30.1,11.7 31.4,13 32.33,13.93 32.4,14 32.4,17.655 24.785,17.655 24.8,17.678 24.8,21.1 40.9,21.1 40.9,0 24.746,0 24.746,4.197 26.11,4.197 26.11,6.198 28.702,8.8 28.8,8.899 28.8,11.674 28.8,11.7
DGND on Bottom Layer "Bottom Layer-No Net" (solid, pour order 14): 0.3,21.1 0.3,11.8 5.591,11.8 5.6,0 24.656,0 24.656,4.3 26,4.3 26,6.2 28.7,8.9 28.7,11.8 30.093,11.8 32.3,14.007 32.3,17.555 24.768,17.555 24.7,17.555 24.7,21.1
DGND on Signal Layer 2 "Bottom Layer-No Net" (solid, pour order 20): 0.272,21.2 0.272,11.9 5.564,11.9 5.572,0.1 24.628,0.1 24.628,4.4 25.972,4.4 25.972,6.3 28.672,9 28.672,11.9 30.065,11.9 32.272,14.107 32.272,17.655 24.74,17.655 24.672,17.655 24.672,21.2
AGND on Signal Layer 2 "Bottom Layer-No Net" (solid, pour order 18): 30.072,11.8 31.372,13.1 32.302,14.03 32.372,14.1 32.372,17.755 24.757,17.755 24.772,17.778 24.772,21.2 40.872,21.2 40.872,0.1 24.719,0.1 24.719,4.297 26.082,4.297 26.082,6.298 28.674,8.9 28.772,8.999 28.772,11.774 28.772,11.8
AGND on Signal Layer 1 "Bottom Layer-No Net" (solid, pour order 28): 30.019,11.8 31.319,13.1 31.319,14.617 26.303,14.617 26.303,17.755 24.704,17.755 24.719,17.778 24.719,21.2 40.819,21.2 40.819,0.1 28.21,0.1 28.21,3.635 28.621,4.398 28.621,6.755 28.621,8.9 28.719,8.999 28.719,11.774 28.719,11.8
DGND on Signal Layer 1 "Bottom Layer-No Net" (solid, pour order 26): 31.18,14.461 31.18,13.147 29.966,11.932 28.652,11.932 28.619,11.9 28.619,9 28.335,8.716 28.335,4.4 27.916,3.626 27.916,0.1 5.519,0.1 5.511,11.9 0.219,11.9 0.219,21.2 24.619,21.2 24.619,17.655 26.182,17.655 26.182,14.461
DGND on Top Layer "Bottom Layer-No Net" (solid, pour order 32): 31.18,14.461 31.18,13.147 29.966,11.932 28.652,11.932 28.619,11.9 28.619,9 28.335,8.716 28.335,4.4 27.916,3.626 27.916,0.1 5.519,0.1 5.511,11.9 0.219,11.9 0.219,21.2 24.619,21.2 24.619,17.655 26.182,17.655 26.182,14.461
AGND on Top Layer "Bottom Layer-No Net" (solid, pour order 30): 30.019,11.8 31.319,13.1 31.319,14.617 26.303,14.617 26.303,17.755 24.704,17.755 24.719,17.778 24.719,21.2 40.819,21.2 40.819,0.1 28.21,0.1 28.21,3.635 28.621,4.398 28.621,6.755 28.621,8.9 28.719,8.999 28.719,11.774 28.719,11.8

## Other copper
Top Layer:
  rectangle net VCLU: 15.1,13.129 16.6,14.841
  rectangle net AGND: 23.728,18.1 26.028,20.5

## Silkscreen, mask and mechanical layers (free items; w line width, h text height)
Bottom Overlay:
  text "BioWolf 2.0" at 40.4,20.1 h0.5
  text "UNIBO/ETH" at 40.4,19.351 h0.5
Mechanical 1:
  lines w0.254: 0,0 0,21.095 40.9,21.095 40.9,0 0,0
  lines w0.7: 0,0 40.9,0 40.9,21.095 0,21.095 0,0

## Dimensions
0,21.095 to 40.9,21.095 on Mechanical 7
40.9,21.095 to 41.1,0.013 on Mechanical 7